# Altium PCB Неудачная разводка ddr.PcbDoc (part 1 of 3)
Units mm, origin at the board's own origin, x right, y up, seen from the top; angles counter-clockwise.
Board outline 130 x 100 mm, 8 copper layers (Top Layer, Ground_1, Power_1, Mid_1, Ground_3, Mid_2, Ground_2, Bottom Layer), stack 1.304 mm thick; 402 components, 379 nets, 2504 pads, 940 vias.
Unrouted connection lines stored in the file: 379.
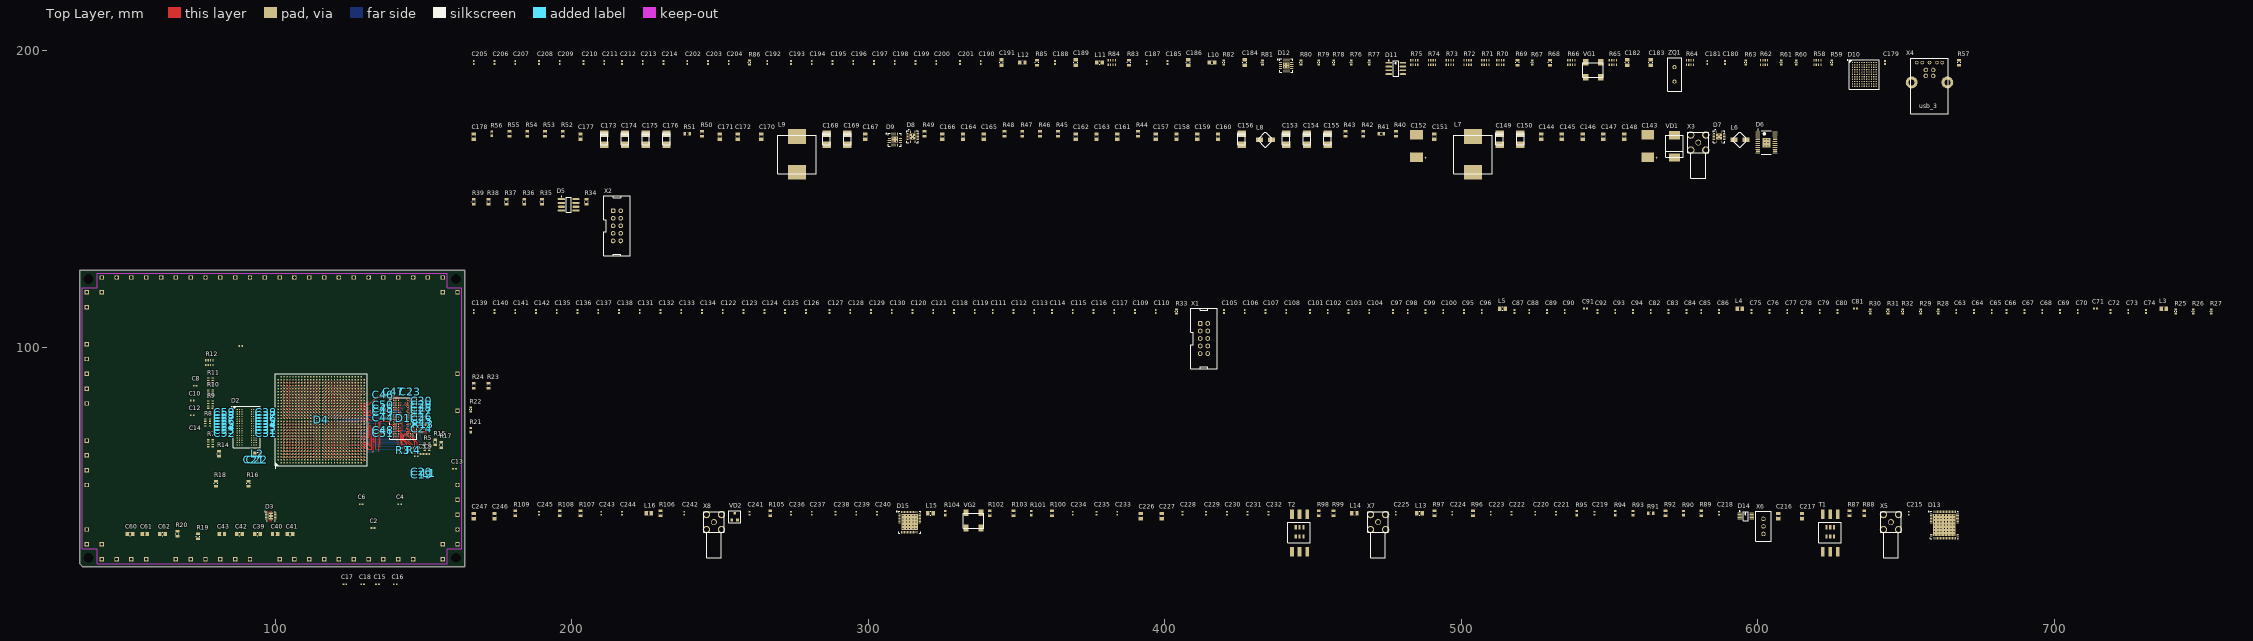
[diagram p0: Top Layer view]
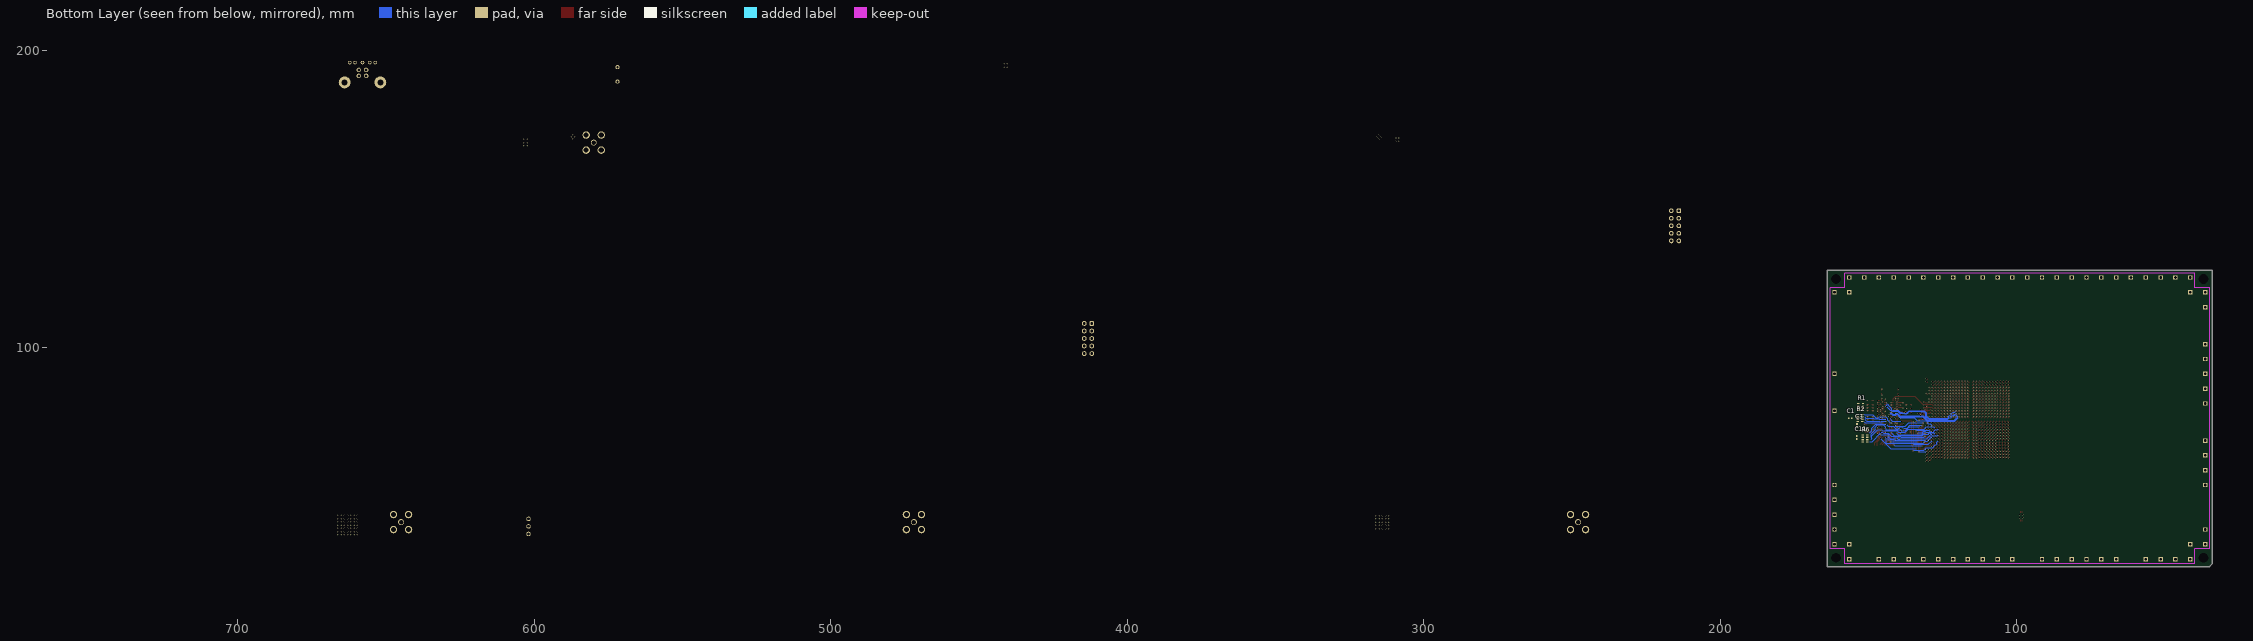
[diagram p1: Bottom Layer view, seen from below]
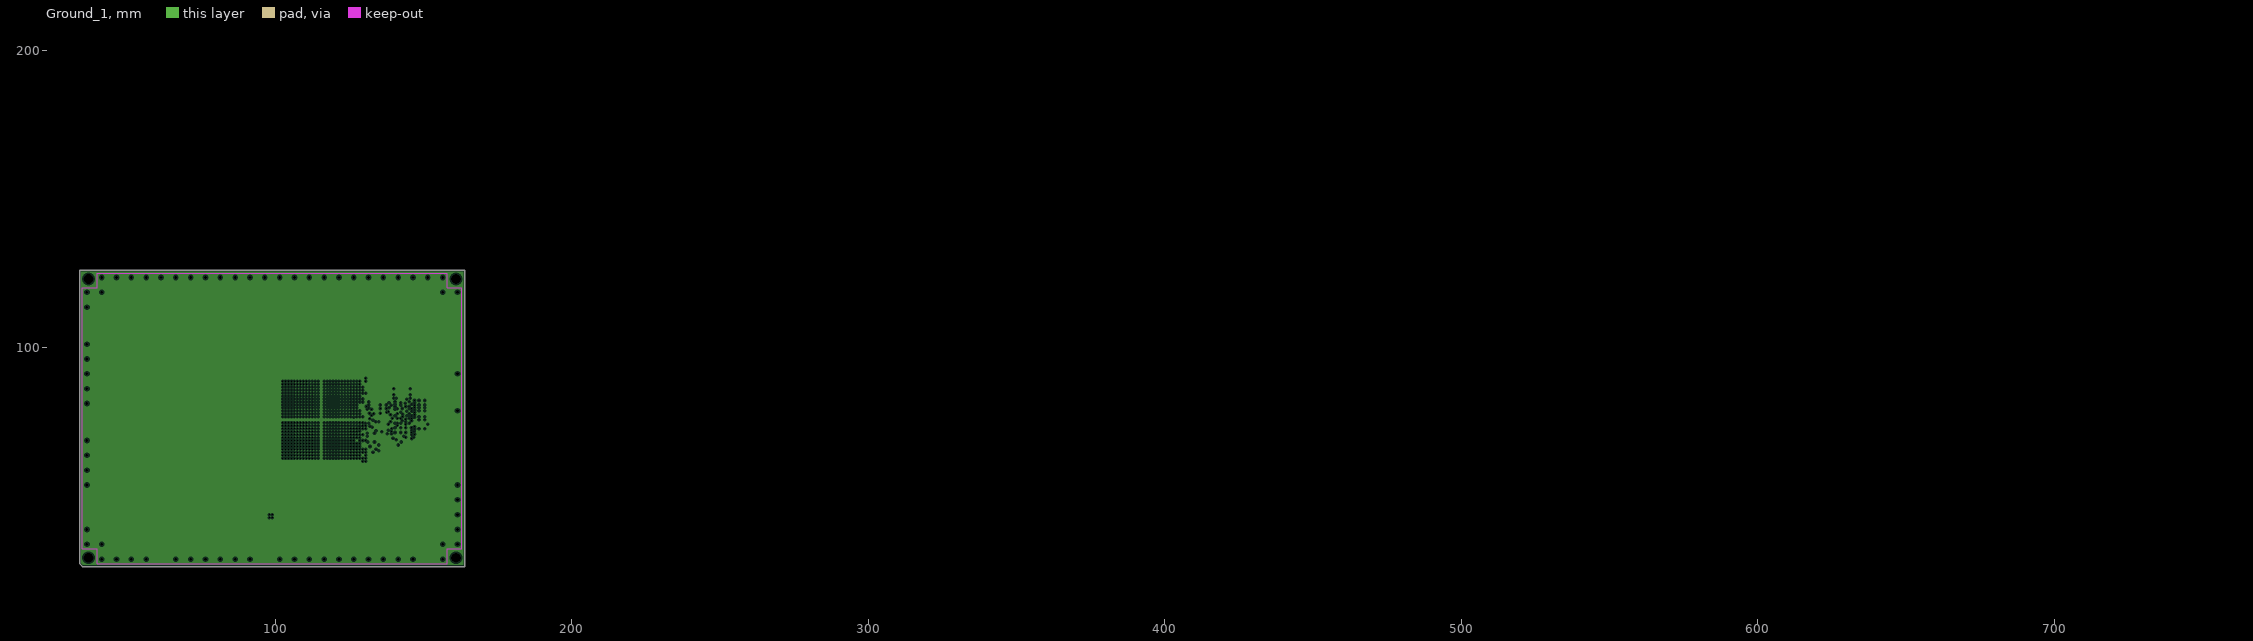
[diagram p2: Ground_1, clearances drawn from the general rule]
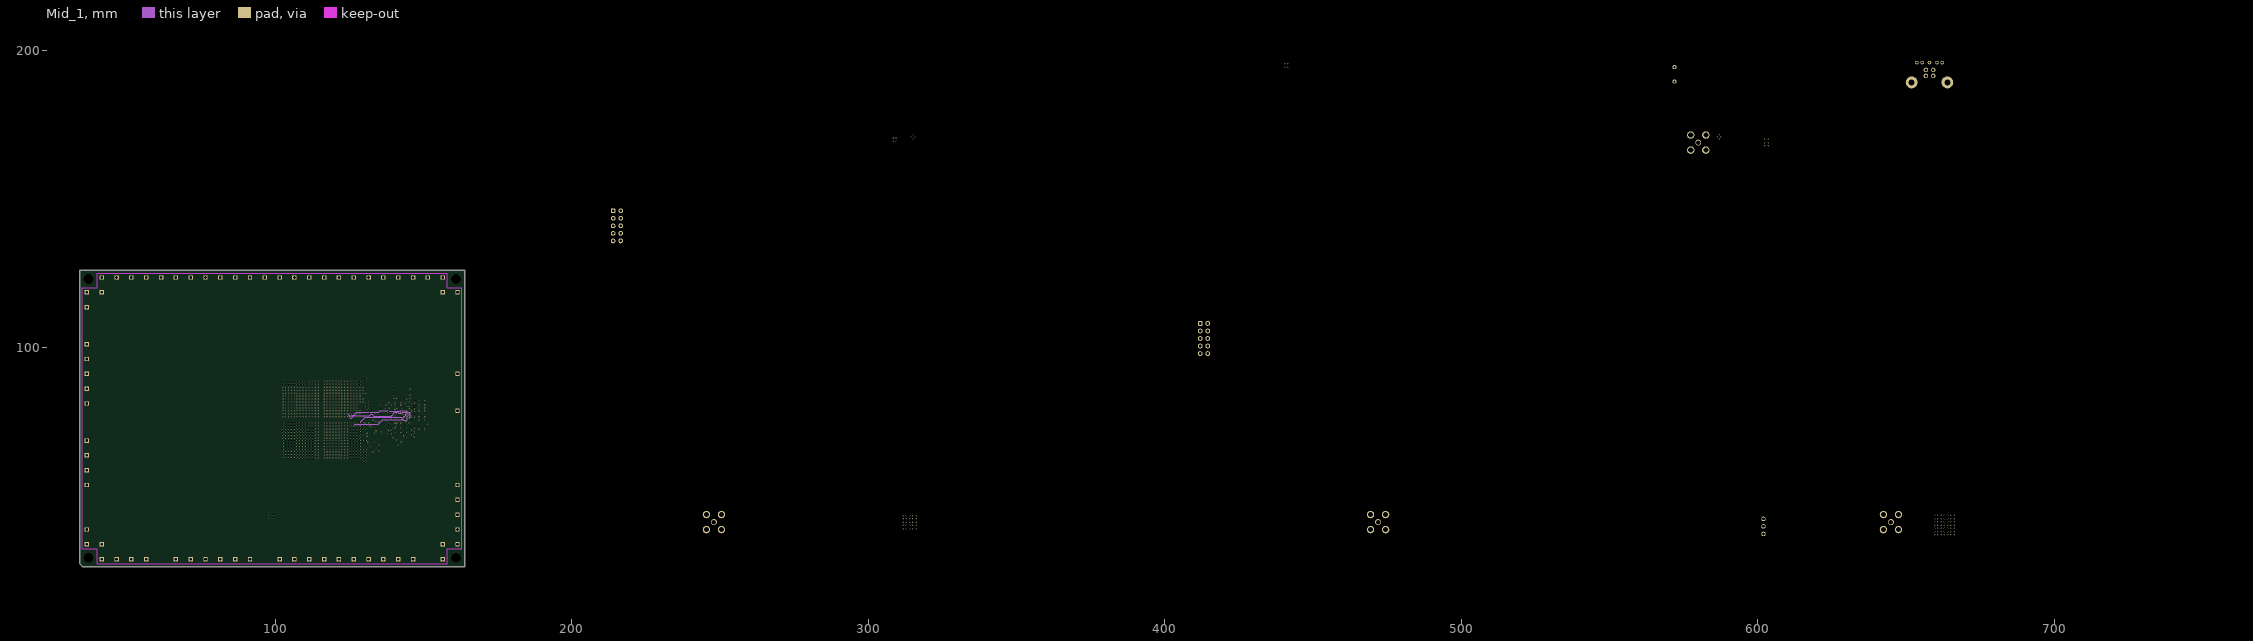
[diagram p3: Mid_1]
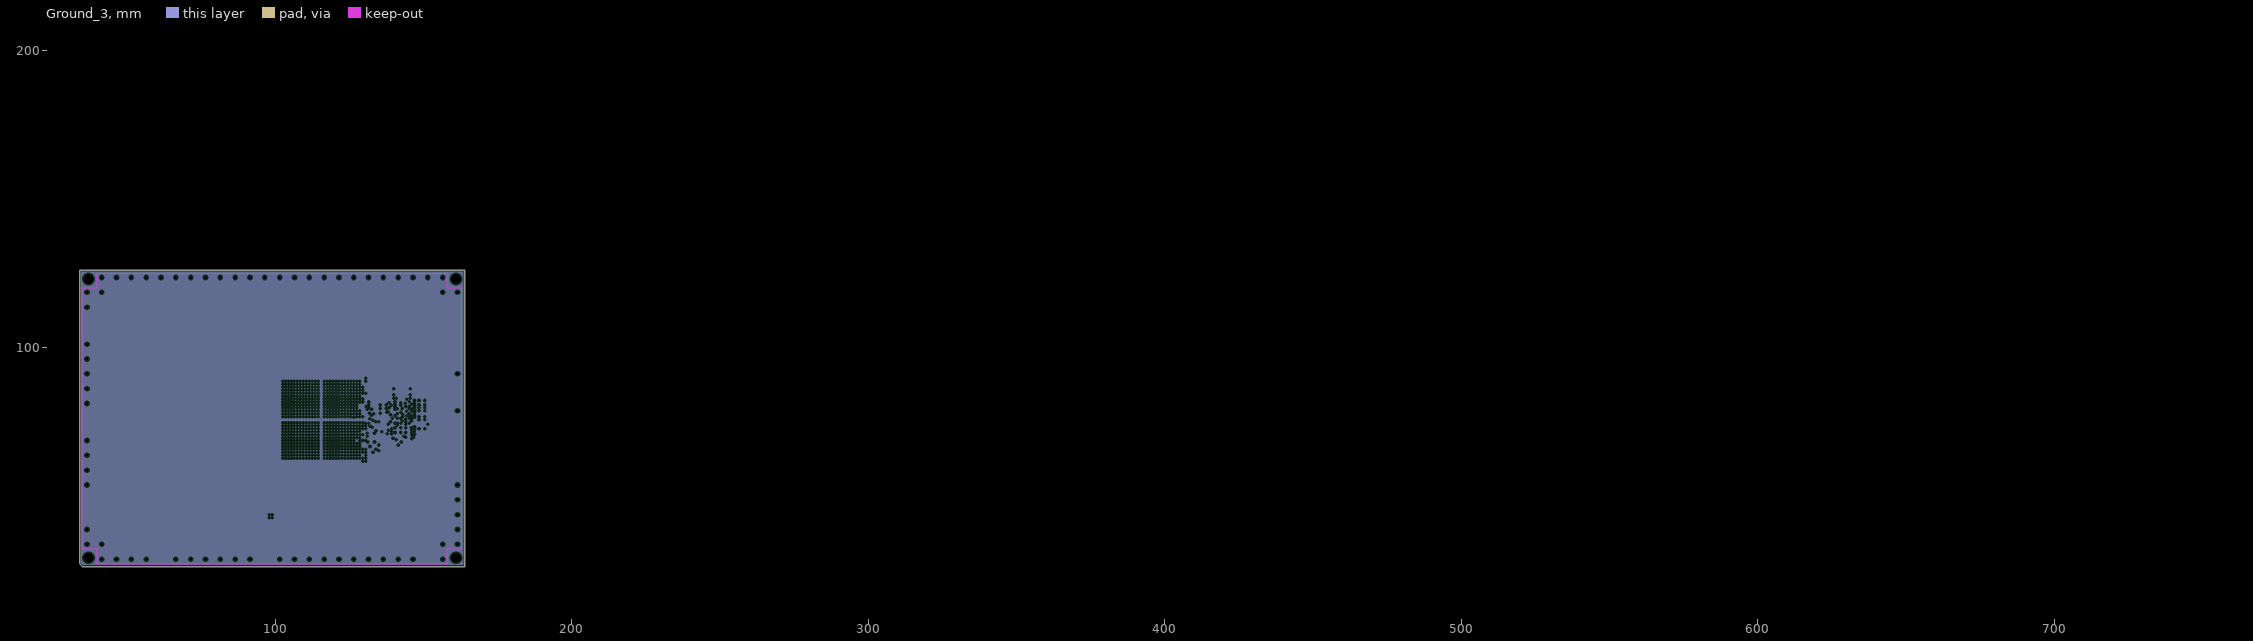
[diagram p4: Ground_3, clearances drawn from the general rule]
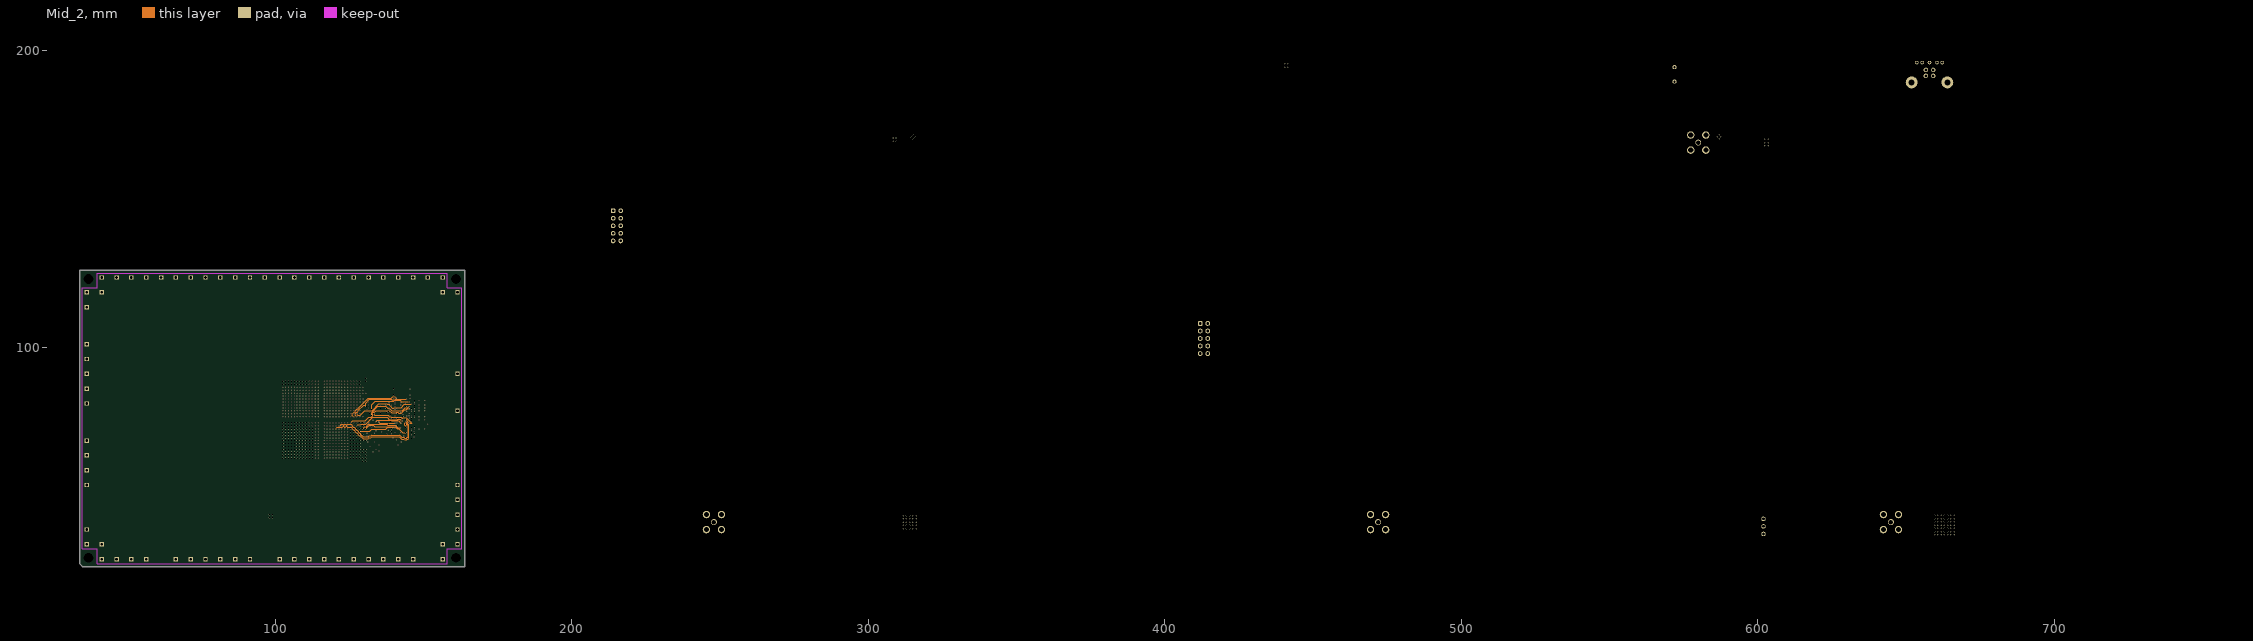
[diagram p5: Mid_2]
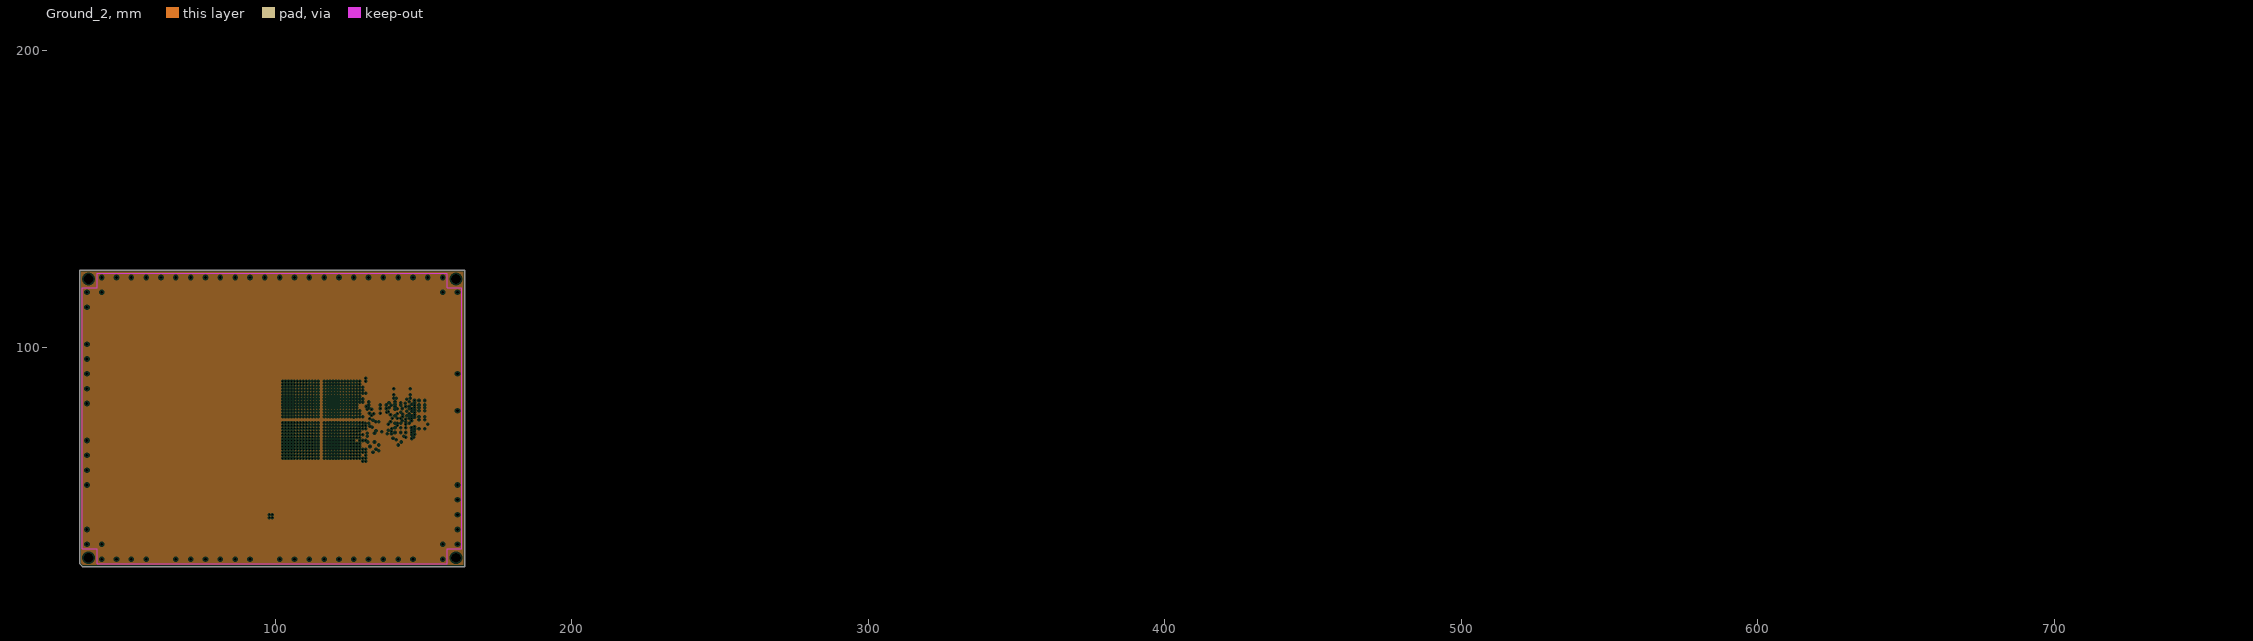
[diagram p6: Ground_2, clearances drawn from the general rule]

## Layer stack, top to bottom
Top Layer: signal copper 0.0356
Dielectric: core 0.105, FR-4, Dk 4.8
Ground_1: plane copper 0.0356
Dielectric: prepreg 0.2, FR-4, Dk 4.8
Power_1: signal copper 0.0356
Dielectric: core 0.105, FR-4, Dk 4.8
Mid_1: signal copper 0.0356
Dielectric: prepreg 0.2, FR-4, Dk 4.8
Ground_3: plane copper 0.0356
Dielectric: core 0.105, FR-4, Dk 4.8
Mid_2: signal copper 0.0356
Dielectric: prepreg 0.2, FR-4, Dk 4.8
Ground_2: plane copper 0.0356
Dielectric: core 0.105, FR-4, Dk 4.8
Bottom Layer: signal copper 0.0356

## Board outline
164,126 164,26 35,26 34,27 34,126 164,126

## Design rules (kind name [scope] priority, off if disabled: settings)
Clearance Diff_Pair_Clearance [All vs InDifferentialPairClass('dqs')] p1: gap=0.1
Clearance [All] p2: gap=0.125
DiffPairsRouting DiffPair_ck [InDifferentialPair ('D_DDR0_CK')  or InDifferentialPair ('D_DDR1_CK')] p1: maxlimit=0.2 minlimit=0.2 mostfreqgap=0.2 maxuncoupledlength=3
DiffPairsRouting DiffPair_dqs [InDifferentialPairClass('dqs')] p2: maxlimit=0.15 minlimit=0.1 mostfreqgap=0.12 maxuncoupledlength=3
DiffPairsRouting [All] p3: maxlimit=0.254 minlimit=0.254 mostfreqgap=0.254 maxuncoupledlength=12.7
MatchedLengths DiffPair_MatchedLengths [InDifferentialPair ('D_DDR0_CK')] p1: tolerance=1 checknetsindiffpair=TRUE checkdiffpairvsdiffpair=TRUE checkothers=TRUE
PlaneClearance [All] p1: clearance=0.508
PlaneConnect [All] p1: planeconnectstyle=Relief reliefexpansion=0.508 reliefentries=4 reliefconductorwidth=0.254 reliefairgap=0.254
PolygonConnect [All] p1: connectstyle=Relief reliefconductorwidth=0.254 reliefentries=4 polygonreliefangle="90 Angle" airgapwidth=0.254
RoomDefinition as14120_x31_usb [InComponentClass('as14120_x31_usb')] p1: confinementstyle=ConfineIn formatcopy=TRUE lockcomponents=FALSE outline 165,178 672,178 672,201 165,201
RoomDefinition as14120_x31_power [InComponentClass('as14120_x31_power')] p2: confinementstyle=ConfineIn formatcopy=TRUE lockcomponents=FALSE outline 165,156 608,156 608,177 165,177
RoomDefinition as14120_x31_adc [InComponentClass('as14120_x31_adc')] p3: confinementstyle=ConfineIn formatcopy=TRUE lockcomponents=FALSE outline 165,28 669,28 669,49 165,49
RoutingVias [All] p1: holewidth=0.2 width=0.5 viastyle="Through Hole" minholewidth=0.2 minwidth=0.45 maxholewidth=0.2 maxwidth=0.5
SolderMaskExpansion SolderMaskExpansion_via_all [IsVia] p1: expansion=-1
SolderMaskExpansion [All] p2: expansion=0.07
SolderMaskExpansion SolderMaskExpansion_bga [IsPad  And OnTopLayer And InComponent( 'D1')] p3: expansion=0
Width Width_40_Ohm [InNetClass('ddr_dq')] p1: maxlimit=0.15 minlimit=0.15 preferedwidth=0.15
Width DiffPair_Width [InDifferentialPair('D_DDR0_CK') or InDifferentialPair('D_DDR1_CK')] p2: maxlimit=0.163 minlimit=0.076 preferedwidth=0.163 toplayer_minwidth=0.111 toplayer_maxwidth=0.111 toplayer_prefwidth=0.111 midlayer1_minwidth=0.163 midlayer2_minwidth=0.163 midlayer3_maxwidth=0.076 midlayer3_prefwidth=0.076 bottomlayer_minwidth=0.111 bottomlayer_maxwidth=0.111 bottomlayer_prefwidth=0.111 impedancedriven=TRUE minimp=50.000000 maximp=50.000000 favimp=50.000000
Width Width_50_Ohm [InNetClass('ddr_ctrl')] p3: maxlimit=0.125 minlimit=0.125 preferedwidth=0.125
Width [All] p4: maxlimit=1 minlimit=0.1 preferedwidth=0.125
25 further rules are at their usual default settings.

## Classes and differential pairs
component class bga: D1 D2 D4
pad class bga_1mm: D4-A2 D4-A3 D4-A4 D4-A5 D4-A6 D4-A7 D4-A8 D4-A9 D4-A10 D4-A11 D4-A12 D4-A13 D4-A14 D4-A15 D4-A16 D4-A17 D4-A18 D4-A19 D4-A20 D4-A21 D4-A22 D4-A23 D4-A24 D4-A25 D4-A26 D4-A27 D4-A28 D4-A29 D4-AA1 D4-AA2 D4-AA3 D4-AA4 D4-AA5 D4-AA6 D4-AA7 D4-AA8 D4-AA9 D4-AA10 D4-AA11 D4-AA12 D4-AA13 D4-AA14 D4-AA15 D4-AA16 D4-AA17 D4-AA18 D4-AA19 D4-AA20 D4-AA21 D4-AA22 D4-AA23 D4-AA24 D4-AA25 D4-AA26 D4-AA27 D4-AA28 D4-AA29 D4-AA30 D4-AB1 D4-AB2 D4-AB3 D4-AB4 D4-AB5 D4-AB6 D4-AB7 D4-AB8 D4-AB9 D4-AB10 D4-AB11 D4-AB12 D4-AB13 D4-AB14 D4-AB15 D4-AB16 D4-AB17 D4-AB18 D4-AB19 D4-AB20 D4-AB21 D4-AB22 D4-AB23 D4-AB24 D4-AB25 D4-AB26 D4-AB27 D4-AB28 D4-AB29 D4-AB30 D4-AC1 D4-AC2 D4-AC3 D4-AC4 D4-AC5 D4-AC6 D4-AC7 D4-AC8 D4-AC9 D4-AC10 D4-AC11 D4-AC12 D4-AC13 D4-AC14 D4-AC15 D4-AC16 D4-AC17 D4-AC18 D4-AC19 D4-AC20 D4-AC21 D4-AC22 D4-AC23 D4-AC24 D4-AC25 D4-AC26 D4-AC27 D4-AC28 D4-AC29 D4-AC30 D4-AD1 D4-AD2 D4-AD3 D4-AD4 D4-AD5 D4-AD6 D4-AD7 D4-AD8 D4-AD9 D4-AD10 D4-AD11 D4-AD12 D4-AD13 D4-AD14 D4-AD15 D4-AD16 D4-AD17 D4-AD18 D4-AD19 D4-AD20 D4-AD21 D4-AD22 D4-AD23 D4-AD24 D4-AD25 D4-AD26 D4-AD27 D4-AD28 D4-AD29 D4-AD30 D4-AE1 D4-AE2 D4-AE3 D4-AE4 D4-AE5 D4-AE6 D4-AE7 D4-AE8 D4-AE9 D4-AE10 D4-AE11 D4-AE12 D4-AE13 D4-AE14 D4-AE15 D4-AE16 D4-AE17 D4-AE18 D4-AE19 D4-AE20 D4-AE21 D4-AE22 D4-AE23 D4-AE24 D4-AE25 D4-AE26 D4-AE27 D4-AE28 D4-AE29 D4-AE30 D4-AF1 D4-AF2 D4-AF3 D4-AF4 D4-AF5 D4-AF6 D4-AF7 D4-AF8 D4-AF9 D4-AF10 D4-AF11 D4-AF12 D4-AF13 D4-AF14 D4-AF15 D4-AF16 D4-AF17 D4-AF18 D4-AF19 D4-AF20 D4-AF21 D4-AF22 D4-AF23 D4-AF24 D4-AF25 D4-AF26 D4-AF27 D4-AF28 D4-AF29 D4-AF30 D4-AG1 D4-AG2 D4-AG3 D4-AG4 D4-AG5 D4-AG6 D4-AG7 D4-AG8 D4-AG9 D4-AG10 D4-AG11 D4-AG12 D4-AG13 D4-AG14 D4-AG15 D4-AG16 D4-AG17 D4-AG18 D4-AG19 D4-AG20 D4-AG21 D4-AG22 D4-AG23 D4-AG24 D4-AG25 D4-AG26 D4-AG27 D4-AG28 D4-AG29 D4-AG30 D4-AH1 D4-AH2 D4-AH3 D4-AH4 D4-AH5 D4-AH6 D4-AH7 D4-AH8 D4-AH9 D4-AH10 D4-AH11 D4-AH12 D4-AH13 D4-AH14 D4-AH15 D4-AH16 D4-AH17 D4-AH18 D4-AH19 D4-AH20 D4-AH21 D4-AH22 D4-AH23 D4-AH24 D4-AH25 D4-AH26 D4-AH27 D4-AH28 D4-AH29 D4-AH30 D4-AJ1 D4-AJ2 D4-AJ3 D4-AJ4 D4-AJ5 D4-AJ6 D4-AJ7 D4-AJ8 D4-AJ9 D4-AJ10 D4-AJ11 D4-AJ12 D4-AJ13 D4-AJ14 D4-AJ15 D4-AJ16 D4-AJ17 D4-AJ18 D4-AJ19 D4-AJ20 D4-AJ21 D4-AJ22 D4-AJ23 D4-AJ24 D4-AJ25 D4-AJ26 D4-AJ27 D4-AJ28 D4-AJ29 D4-AJ30 D4-AK2 D4-AK3 D4-AK4 D4-AK5 D4-AK6 D4-AK7 D4-AK8 D4-AK9 D4-AK10 D4-AK11 D4-AK12 D4-AK13 D4-AK14 D4-AK15 D4-AK16 D4-AK17 D4-AK18 D4-AK19 D4-AK20 D4-AK21 D4-AK22 D4-AK23 D4-AK24 D4-AK25 D4-AK26 D4-AK27 D4-AK28 D4-AK29 D4-B1 D4-B2 D4-B3 D4-B4 D4-B5 D4-B6 D4-B7 D4-B8 D4-B9 D4-B10 D4-B11 D4-B12 D4-B13 D4-B14 D4-B15 D4-B16 D4-B17 D4-B18 D4-B19 D4-B20 D4-B21 D4-B22 D4-B23 D4-B24 D4-B25 D4-B26 D4-B27 D4-B28 D4-B29 D4-B30 D4-C1 D4-C2 D4-C3 D4-C4 D4-C5 D4-C6 D4-C7 D4-C8 D4-C9 D4-C10 D4-C11 D4-C12 D4-C13 D4-C14 D4-C15 D4-C16 D4-C17 D4-C18 D4-C19 D4-C20 D4-C21 D4-C22 D4-C23 D4-C24 D4-C25 D4-C26 D4-C27 D4-C28 D4-C29 D4-C30 D4-D1 D4-D2 D4-D3 D4-D4 D4-D5 D4-D6 D4-D7 D4-D8 D4-D9 D4-D10 D4-D11 D4-D12 D4-D13 D4-D14 D4-D15 D4-D16 D4-D17 D4-D18 D4-D19 D4-D20 D4-D21 D4-D22 D4-D23 D4-D24 D4-D25 D4-D26 D4-D27 D4-D28 D4-D29 D4-D30 D4-E1 D4-E2 D4-E3 D4-E4 D4-E5 D4-E6 D4-E7 D4-E8 D4-E9 D4-E10 D4-E11 D4-E12 D4-E13 D4-E14 D4-E15 D4-E16 D4-E17 D4-E18 D4-E19 D4-E20 D4-E21 D4-E22 D4-E23 D4-E24 D4-E25 D4-E26 D4-E27 D4-E28 D4-E29 D4-E30 D4-F1 D4-F2 D4-F3 D4-F4 D4-F5 D4-F6 D4-F7 D4-F8 D4-F9 D4-F10 D4-F11 D4-F12 D4-F13 D4-F14 D4-F15 D4-F16 D4-F17 D4-F18 D4-F19 D4-F20 D4-F21 D4-F22 D4-F23 D4-F24 D4-F25 D4-F26 D4-F27 D4-F28 D4-F29 D4-F30 D4-G1 D4-G2 D4-G3 D4-G4 D4-G5 D4-G6 D4-G7 D4-G8 D4-G9 D4-G10 D4-G11 D4-G12 D4-G13 D4-G14 D4-G15 D4-G16 D4-G17 D4-G18 D4-G19 D4-G20 D4-G21 D4-G22 D4-G23 D4-G24 D4-G25 D4-G26 D4-G27 D4-G28 D4-G29 D4-G30 D4-H1 D4-H2 D4-H3 D4-H4 D4-H5 D4-H6 D4-H7 D4-H8 D4-H9 D4-H10 D4-H11 D4-H12 D4-H13 D4-H14 D4-H15 D4-H16 D4-H17 D4-H18 D4-H19 D4-H20 D4-H21 D4-H22 D4-H23 D4-H24 D4-H25 D4-H26 D4-H27 D4-H28 D4-H29 D4-H30 D4-J1 D4-J2 D4-J3 D4-J4 D4-J5 D4-J6 D4-J7 D4-J8 D4-J9 D4-J10 D4-J11 D4-J12 D4-J13 D4-J14 D4-J15 D4-J16 D4-J17 D4-J18 D4-J19 D4-J20 D4-J21 D4-J22 D4-J23 D4-J24 D4-J25 D4-J26 D4-J27 D4-J28 D4-J29 D4-J30 D4-K1 D4-K2 D4-K3 D4-K4 D4-K5 D4-K6 D4-K7 D4-K8 D4-K9 D4-K10 D4-K11 D4-K12 D4-K13 D4-K14 D4-K15 D4-K16 D4-K17 D4-K18 D4-K19 D4-K20 D4-K21 D4-K22 D4-K23 D4-K24 D4-K25 D4-K26 D4-K27 D4-K28 D4-K29 D4-K30 D4-L1 D4-L2 D4-L3 D4-L4 D4-L5 D4-L6 D4-L7 D4-L8 D4-L9 D4-L10 D4-L11 D4-L12 D4-L13 D4-L14 D4-L15 D4-L16 D4-L17 D4-L18 D4-L19 D4-L20 D4-L21 D4-L22 D4-L23 D4-L24 D4-L25 D4-L26 D4-L27 D4-L28 D4-L29 D4-L30 D4-M1 D4-M2 D4-M3 D4-M4 D4-M5 D4-M6 D4-M7 D4-M8 D4-M9 D4-M10 D4-M11 D4-M12 D4-M13 D4-M14 D4-M15 D4-M16 D4-M17 D4-M18 D4-M19 D4-M20 D4-M21 D4-M22 D4-M23 D4-M24 D4-M25 D4-M26 D4-M27 D4-M28 D4-M29 D4-M30 D4-N1 D4-N2 D4-N3 D4-N4 D4-N5 D4-N6 D4-N7 D4-N8 D4-N9 D4-N10 D4-N11 D4-N12 D4-N13 D4-N14 D4-N15 D4-N16 D4-N17 D4-N18 D4-N19 D4-N20 D4-N21 D4-N22 D4-N23 D4-N24 D4-N25 D4-N26 D4-N27 D4-N28 D4-N29 D4-N30 D4-P1 D4-P2 D4-P3 D4-P4 D4-P5 D4-P6 D4-P7 D4-P8 D4-P9 D4-P10 D4-P11 D4-P12 D4-P13 D4-P14 D4-P15 D4-P16 D4-P17 D4-P18 D4-P19 D4-P20 D4-P21 D4-P22 D4-P23 D4-P24 D4-P25 D4-P26 D4-P27 D4-P28 D4-P29 D4-P30 D4-R1 D4-R2 D4-R3 D4-R4 D4-R5 D4-R6 D4-R7 D4-R8 D4-R9 D4-R10 D4-R11 D4-R12 D4-R13 D4-R14 D4-R15 D4-R16 D4-R17 D4-R18 D4-R19 D4-R20 D4-R21 D4-R22 D4-R23 D4-R24 D4-R25 D4-R26 D4-R27 D4-R28 D4-R29 D4-R30 D4-T1 D4-T2 D4-T3 D4-T4 D4-T5 D4-T6 D4-T7 D4-T8 D4-T9 D4-T10 D4-T11 D4-T12 D4-T13 D4-T14 D4-T15 D4-T16 D4-T17 D4-T18 D4-T19 D4-T20 D4-T21 D4-T22 D4-T23 D4-T24 D4-T25 D4-T26 D4-T27 D4-T28 D4-T29 D4-T30 D4-U1 D4-U2 D4-U3 D4-U4 D4-U5 D4-U6 D4-U7 D4-U8 D4-U9 D4-U10 D4-U11 D4-U12 D4-U13 D4-U14 D4-U15 D4-U16 D4-U17 D4-U18 D4-U19 D4-U20 D4-U21 D4-U22 D4-U23 D4-U24 D4-U25 D4-U26 D4-U27 D4-U28 D4-U29 D4-U30 D4-V1 D4-V2 D4-V3 D4-V4 D4-V5 D4-V6 D4-V7 D4-V8 D4-V9 D4-V10 D4-V11 D4-V12 D4-V13 D4-V14 D4-V15 D4-V16 D4-V17 D4-V18 D4-V19 D4-V20 D4-V21 D4-V22 D4-V23 D4-V24 D4-V25 D4-V26 D4-V27 D4-V28 D4-V29 D4-V30 D4-W1 D4-W2 D4-W3 D4-W4 D4-W5 D4-W6 D4-W7 D4-W8 D4-W9 D4-W10 D4-W11 D4-W12 D4-W13 D4-W14 D4-W15 D4-W16 D4-W17 D4-W18 D4-W19 D4-W20 D4-W21 D4-W22 D4-W23 D4-W24 D4-W25 D4-W26 D4-W27 D4-W28 D4-W29 D4-W30 D4-Y1 D4-Y2 D4-Y3 D4-Y4 D4-Y5 D4-Y6 D4-Y7 D4-Y8 D4-Y9 D4-Y10 D4-Y11 D4-Y12 D4-Y13 D4-Y14 D4-Y15 D4-Y16 D4-Y17 D4-Y18 D4-Y19 D4-Y20 D4-Y21 D4-Y22 D4-Y23 D4-Y24 D4-Y25 D4-Y26 D4-Y27 D4-Y28 D4-Y29 D4-Y30
pad class bga_08mm: D1-A1 D1-A2 D1-A3 D1-A7 D1-A8 D1-A9 D1-B1 D1-B2 D1-B3 D1-B7 D1-B8 D1-B9 D1-C1 D1-C2 D1-C3 D1-C7 D1-C8 D1-C9 D1-D1 D1-D2 D1-D3 D1-D7 D1-D8 D1-D9 D1-E1 D1-E2 D1-E3 D1-E7 D1-E8 D1-E9 D1-F1 D1-F2 D1-F3 D1-F7 D1-F8 D1-F9 D1-G1 D1-G2 D1-G3 D1-G7 D1-G8 D1-G9 D1-H1 D1-H2 D1-H3 D1-H7 D1-H8 D1-H9 D1-J1 D1-J2 D1-J3 D1-J7 D1-J8 D1-J9 D1-K1 D1-K2 D1-K3 D1-K7 D1-K8 D1-K9 D1-L1 D1-L2 D1-L3 D1-L7 D1-L8 D1-L9 D1-M1 D1-M2 D1-M3 D1-M7 D1-M8 D1-M9 D1-N1 D1-N2 D1-N3 D1-N7 D1-N8 D1-N9 D1-P1 D1-P2 D1-P3 D1-P7 D1-P8 D1-P9 D1-R1 D1-R2 D1-R3 D1-R7 D1-R8 D1-R9 D1-T1 D1-T2 D1-T3 D1-T7 D1-T8 D1-T9 D2-A1 D2-A2 D2-A3 D2-A7 D2-A8 D2-A9 D2-B1 D2-B2 D2-B3 D2-B7 D2-B8 D2-B9 D2-C1 D2-C2 D2-C3 D2-C7 D2-C8 D2-C9 D2-D1 D2-D2 D2-D3 D2-D7 D2-D8 D2-D9 D2-E1 D2-E2 D2-E3 D2-E7 D2-E8 D2-E9 D2-F1 D2-F2 D2-F3 D2-F7 D2-F8 D2-F9 D2-G1 D2-G2 D2-G3 D2-G7 D2-G8 D2-G9 D2-H1 D2-H2 D2-H3 D2-H7 D2-H8 D2-H9 D2-J1 D2-J2 D2-J3 D2-J7 D2-J8 D2-J9 D2-K1 D2-K2 D2-K3 D2-K7 D2-K8 D2-K9 D2-L1 D2-L2 D2-L3 D2-L7 D2-L8 D2-L9 D2-M1 D2-M2 D2-M3 D2-M7 D2-M8 D2-M9 D2-N1 D2-N2 D2-N3 D2-N7 D2-N8 D2-N9 D2-P1 D2-P2 D2-P3 D2-P7 D2-P8 D2-P9 D2-R1 D2-R2 D2-R3 D2-R7 D2-R8 D2-R9 D2-T1 D2-T2 D2-T3 D2-T7 D2-T8 D2-T9